# Altium PCB fastic-readout.PcbDoc (part 1 of 6) (continued)
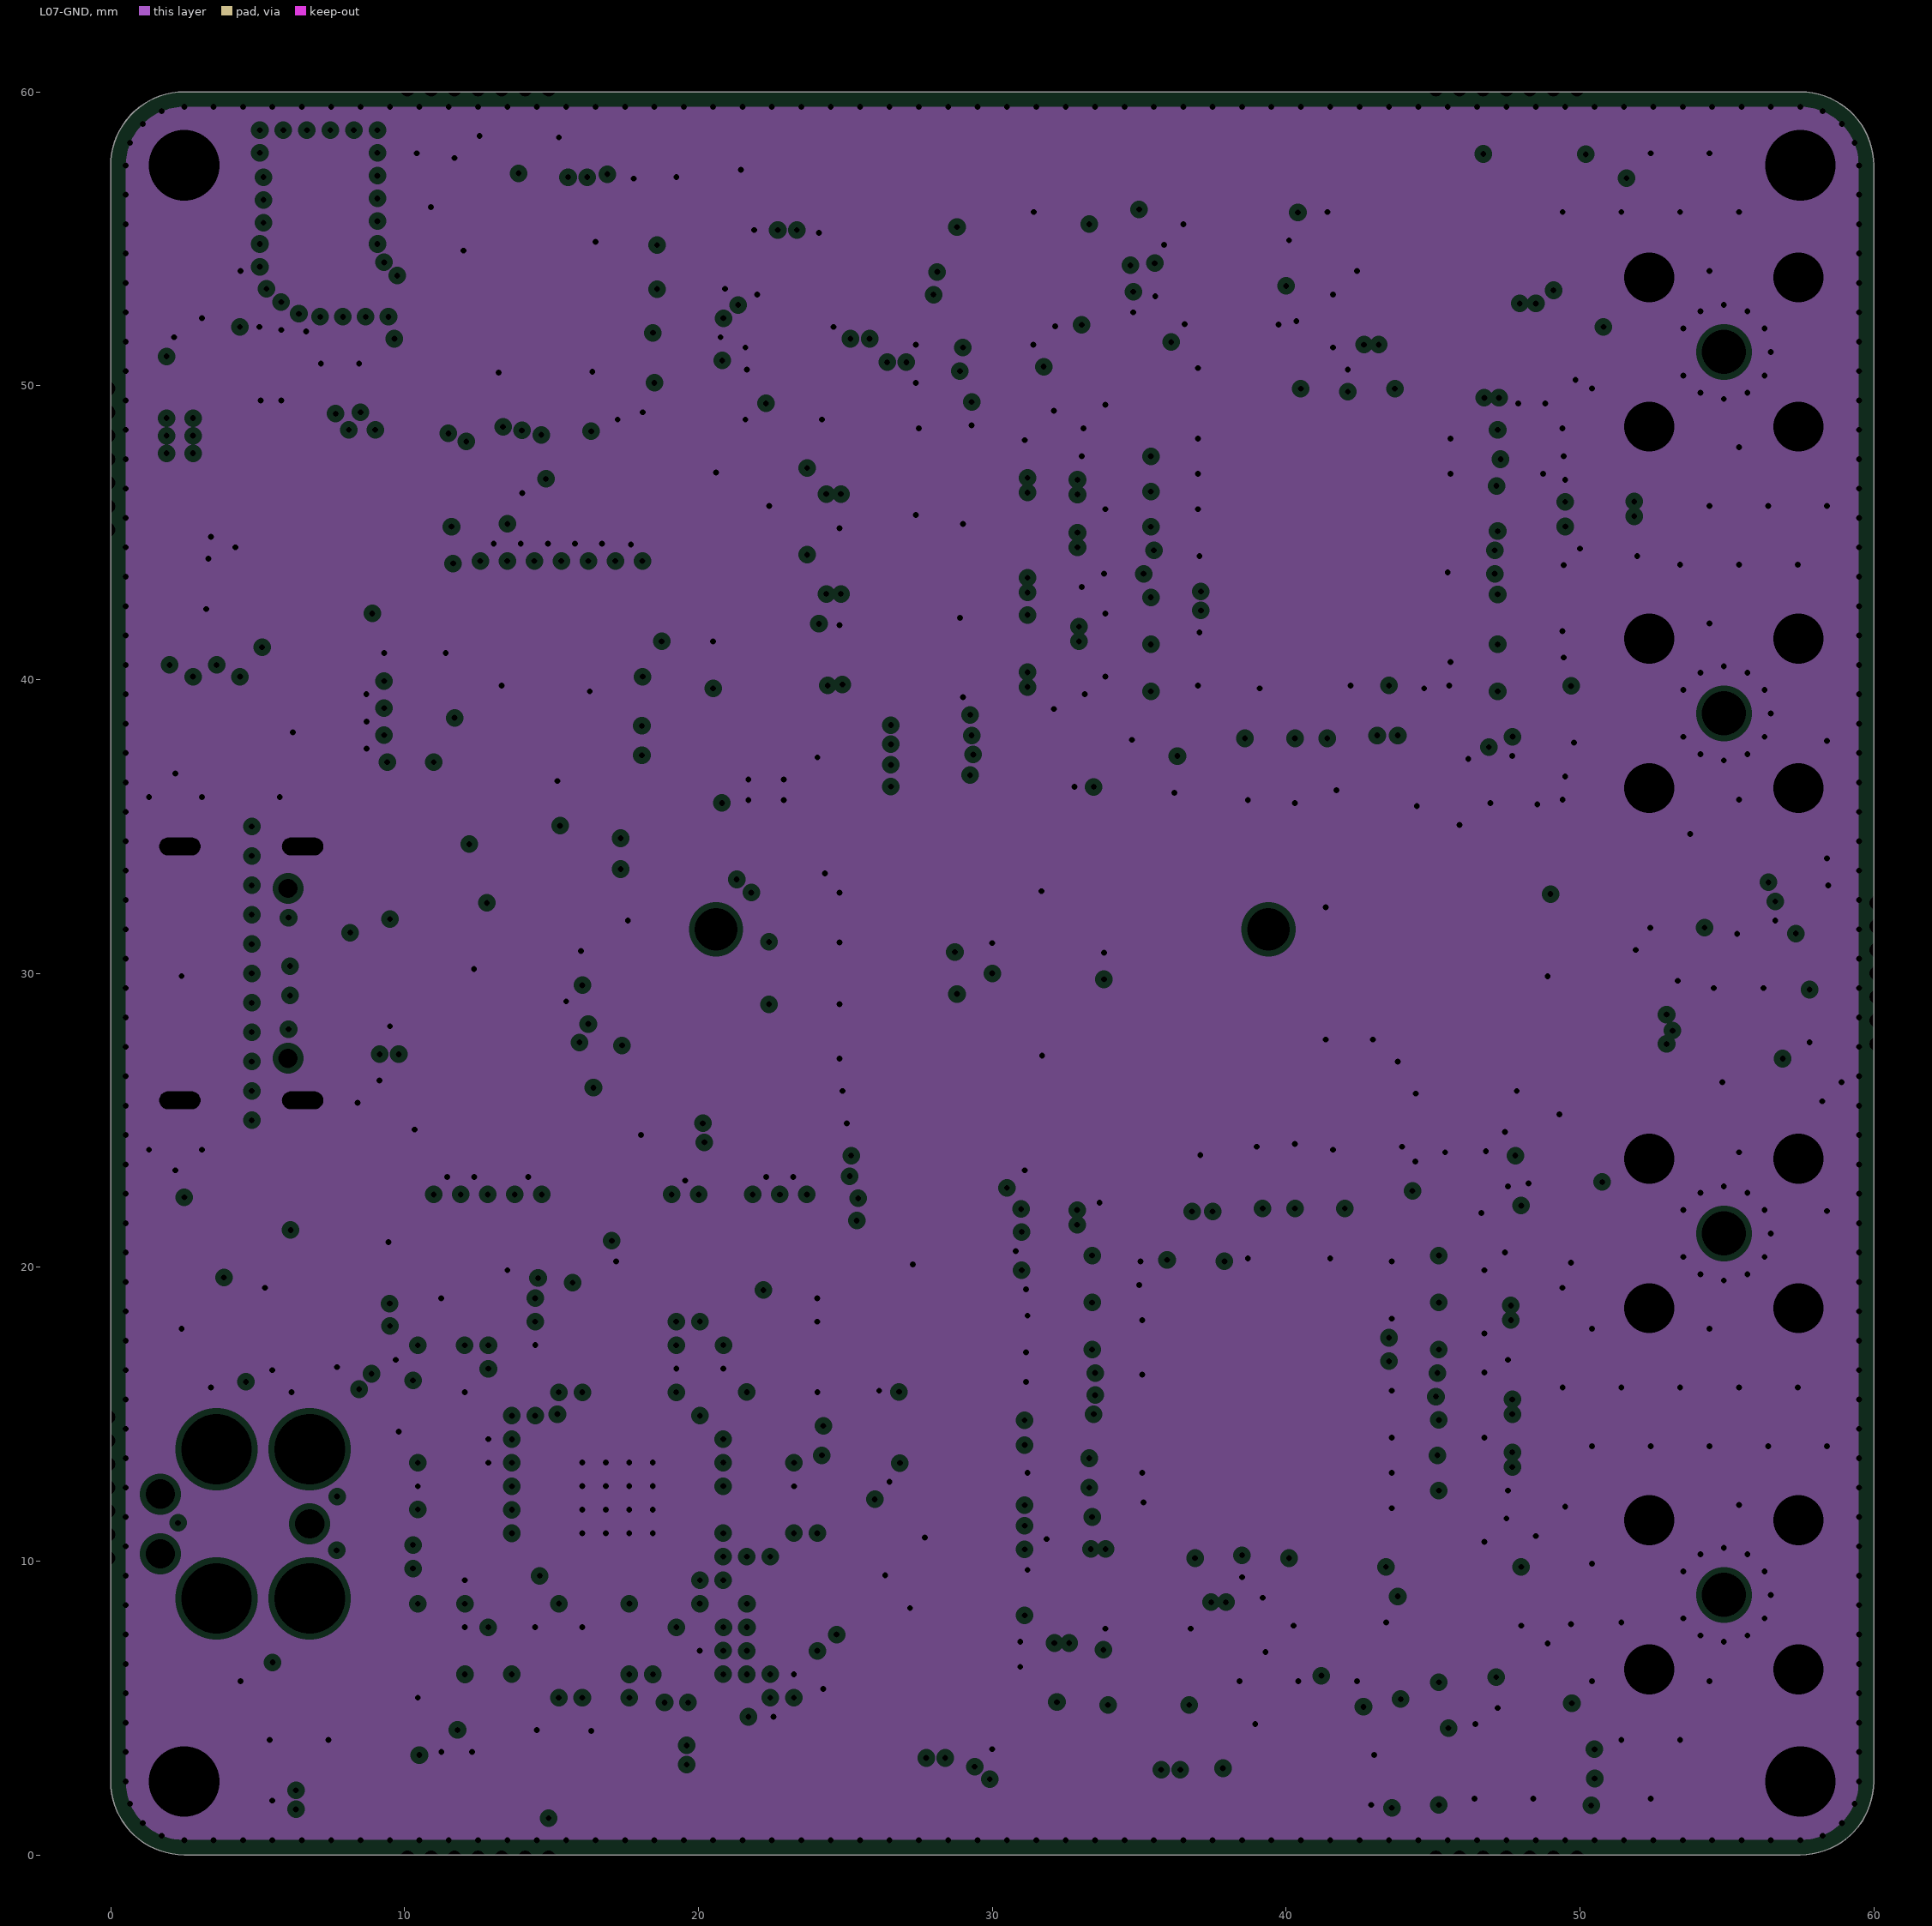
[diagram p7: L07-GND, clearances drawn from the general rule]
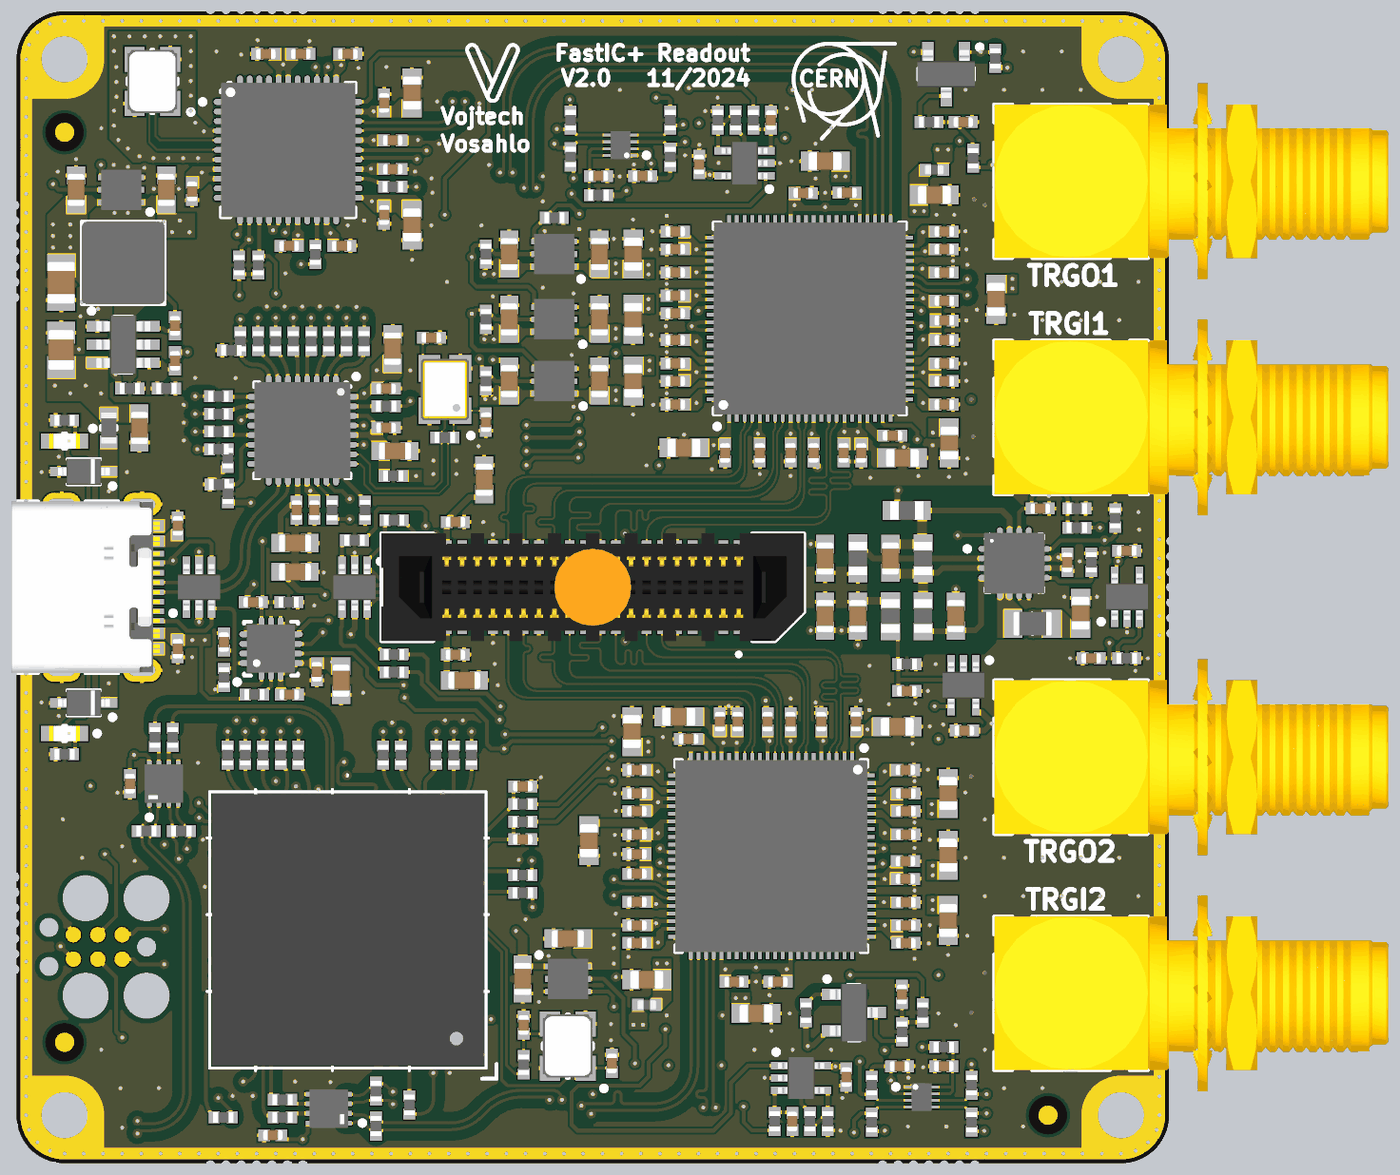
[diagram p13: 3D render of the assembled board from above, using the file's embedded part models]
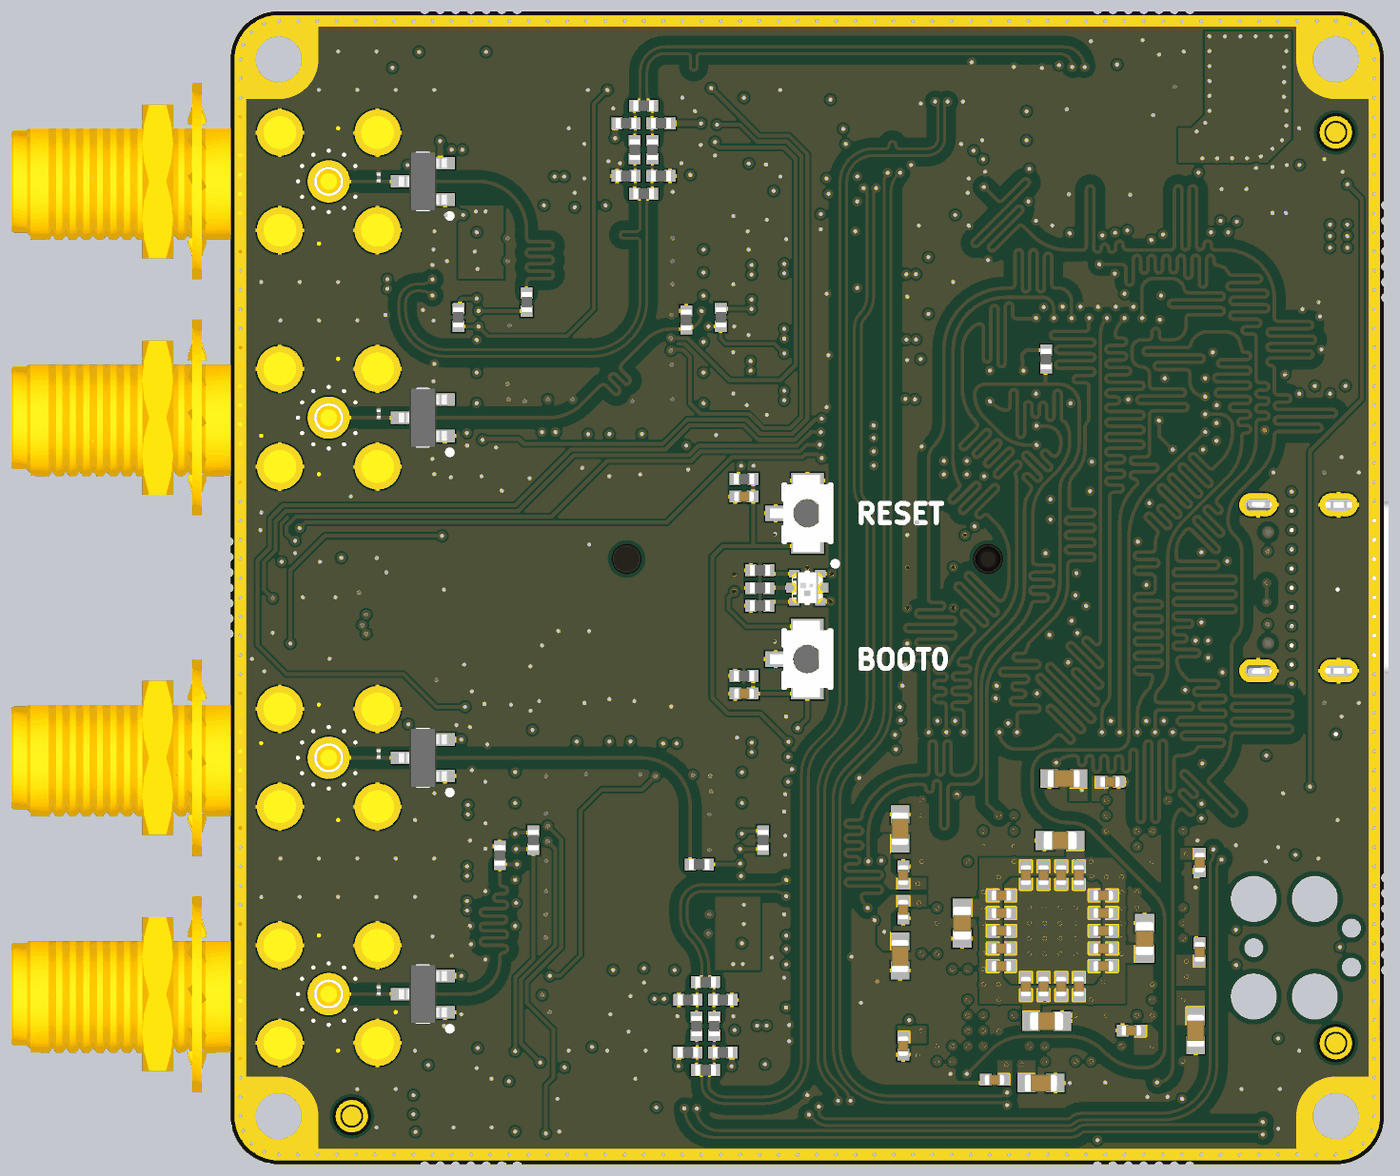
[diagram p14: 3D render of the assembled board from below, using the file's embedded part models]

## Layer stack, top to bottom
Top Solder: solder mask 0.0254, SM-001, Dk 4
Top Layer: signal copper 0.018
Dielectric 1 - PR2116: prepreg 0.12, PR2116, Dk 4.4
L02-GND: plane copper 0.035, net GND
Dielectric 2 - Core FR4: core 0.2, FR4 Improved, Dk 4.11
L03-PWR: plane copper 0.035, net (Multiple Nets)
Dielectric 3 - PR2116: prepreg 0.12, PP-016, Dk 4.4
Dielectric 4 - PR2116: prepreg 0.12, PP-016, Dk 4.4
L04- Signal: signal copper 0.035
Dielectric 4 - Core FR4: core 0.2, FR4 Improved, Dk 4.11
L05 - Signal: signal copper 0.035
Dielectric 5 - PR2116: prepreg 0.12, PP-016, Dk 4.4
Dielectric 6 - PR2116: prepreg 0.12, PP-016, Dk 4.4
L06-PWR: plane copper 0.035, net (Multiple Nets)
Dielectric 7 - Core FR4: core 0.2, FR4 Improved, Dk 4.11
L07-GND: plane copper 0.035, net GND
Dielectric 8 - PR2116: prepreg 0.12, PR2116, Dk 4.4
Bottom Layer: signal copper 0.018
Bottom Solder: solder mask 0.0254, SM-001, Dk 4

## Board outline
2.5,0 cw(c2.5,2.5) 0,2.5 0,57.5 cw(c2.5,57.5) 2.5,60 57.5,60 cw(c57.5,57.5) 60,57.5 60,2.5 cw(c57.5,2.5) 57.5,0

## Design rules (kind name [scope] priority, off if disabled: settings)
AssemblyTestPointUsage [All] p1 off:
AssemblyTestpoint [All] p1 off: testpointundercomponent=TRUE minsize=1.016 maxsize=2.54 preferedsize=1.524 minholesize=0 maxholesize=1.016 preferedholesize=0.813 testpointgrid=0.025 usegrid=TRUE gridtolerance=0 allowsidetop=TRUE allowsidebottom=TRUE
BoardOutlineClearance BoardOutlineClearance_Mousebites [IsPad and not InAnyNet and not InRegionRelative(0,0,2362.20472,2362.20472)] p1: gap=0 ignorepadtopadclearanceinfootprint=FALSE
BoardOutlineClearance BoardOutlineClearance_Overlay [OnLayer('Top Overlay')] p2: gap=0 ignorepadtopadclearanceinfootprint=FALSE
BoardOutlineClearance [All] p3: gap=0.2 ignorepadtopadclearanceinfootprint=FALSE
Clearance Clearance_Mousebites [IsPad and not InAnyNet and not InRegionRelative(0,0,2362.20472,2362.20472) vs InNet('GND')] p1: gap=0 ignorepadtopadclearanceinfootprint=TRUE
Clearance Clearance_Inner [not (OnLayer('Top Layer') or OnLayer('Bottom Layer')) vs not (OnLayer('Top Layer') or OnLayer('Bottom Layer'))] p2: gap=0.15 ignorepadtopadclearanceinfootprint=TRUE
Clearance Clearance_BGA [InComponent('U1') vs Name Like 'MAIN_GND'] p3: gap=0.1 ignorepadtopadclearanceinfootprint=TRUE except(0.25: Arc-Hole Track-Hole SMDPad-Hole THPad-Hole Via-Hole Fill-Hole Poly-Hole Region-Hole; 0.3: Text-Hole; 1: SMDPad-Fill SMDPad-Poly SMDPad-Region)
Clearance Clearance_ULPI [InNetClass('ULPI_D[0..7]') or InNetClass('ULPI') vs InNetClass('ULPI_D[0..7]') or InNetClass('ULPI')] p4: gap=0.1 ignorepadtopadclearanceinfootprint=TRUE except(0.25: Arc-Hole Track-Hole SMDPad-Hole THPad-Hole Via-Hole Fill-Hole Poly-Hole Region-Hole)
Clearance Clearance_50Ohm [InNetClass('50Ohm') vs InNet('GND')] p5: gap=0.1 ignorepadtopadclearanceinfootprint=TRUE except(0.25: Arc-Hole Track-Hole SMDPad-Hole THPad-Hole Via-Hole Fill-Hole Poly-Hole Region-Hole; 0.5: Arc-Poly Track-Poly)
Clearance Clearance_HV [InNetClass('HV') vs InNet('GND') and not InComponent('IC11') and not InNet('NetJ3_06')and not InNet('NetJ3_05')] p6: gap=0.7 ignorepadtopadclearanceinfootprint=TRUE
Clearance Clearance_Diff [InDifferentialPairClass('*') vs InNet('GND')] p7: gap=0.1 ignorepadtopadclearanceinfootprint=TRUE except(0.25: Arc-Hole Track-Hole SMDPad-Hole THPad-Hole Via-Hole Fill-Hole Poly-Hole Region-Hole; 0.5: Arc-Fill Arc-Poly Arc-Region Track-Fill Track-Poly Track-Region)
Clearance [OnLayer('Top Layer') or OnLayer('Bottom Layer')] p8: gap=0.1 ignorepadtopadclearanceinfootprint=TRUE except(0.25: Arc-Hole Track-Hole SMDPad-Hole THPad-Hole Via-Hole Fill-Hole Poly-Hole Region-Hole)
ComponentClearance [All] p1 off: gap=0.15 collisioncheckmode=3 verticalgap=0.15 showdistances=FALSE
DiffPairsRouting DiffPairsRouting_USB [InNet('USB_D_N') or InNet('USB_D_P')] p1: maxlimit=0.2 minlimit=0.2 mostfreqgap=0.2 toplayer_minwidth=0.183 toplayer_maxwidth=0.183 toplayer_prefwidth=0.183 midlayer1_minwidth=0.183 midlayer1_maxwidth=0.183 midlayer1_prefwidth=0.183 midlayer2_minwidth=0.183 midlayer2_maxwidth=0.183 midlayer2_prefwidth=0.183 bottomlayer_minwidth=0.183 bottomlayer_maxwidth=0.183 bottomlayer_prefwidth=0.183 maxuncoupledlength=12.7
DiffPairsRouting [All] p2: maxlimit=0.4 minlimit=0.1 mostfreqgap=0.2 toplayer_mingap=0.2 toplayer_minwidth=0.15 toplayer_maxwidth=0.15 toplayer_prefwidth=0.15 bottomlayer_mingap=0.2 bottomlayer_minwidth=0.15 bottomlayer_maxwidth=0.15 bottomlayer_prefwidth=0.15 impedanceprofiledriven=TRUE impedanceprofileid={FB560723-166B-4BAB-8495-9AA3CF4F6614} impedanceprofilevalue=100.000000 maxuncoupledlength=12.7
FabricationTestPointUsage [All] p1 off: valid=0 allowmultiple=FALSE
FabricationTestpoint [All] p1 off: side=3 testpointundercomponent=TRUE minsize=1.016 maxsize=2.54 preferedsize=1.524 minholesize=0 maxholesize=1.016 preferedholesize=0.813 testpointgrid=0.025 allowsidetop=TRUE allowsidebottom=TRUE usegrid=TRUE gridtolerance=0
HoleSize [All] p1: absolutevalues=TRUE maxlimit=5 minlimit=0.1 maxpercent=80.000 minpercent=20.000
HoleToHoleClearance HoleToHoleClearance_Mousebites [IsPad and not InAnyNet and not InRegionRelative(0,0,2362.20472,2362.20472)] p1: gap=0 allowstackedmicrovias=TRUE
HoleToHoleClearance [All] p2: gap=0.25 allowstackedmicrovias=TRUE
MinimumAnnularRing [All] p1: minimumring=0.125
MinimumSolderMaskSliver [All] p1: minsoldermaskwidth=0
PlaneClearance [All] p1: clearance=0.2
PlaneConnect PlaneConnect_Holes [InComponent('H1') or InComponent('H2') or InComponent('H3') or InComponent('H4')] p1: planeconnectstyle=Direct reliefexpansion=0.508 reliefentries=4 reliefconductorwidth=0.254 reliefairgap=0.254
PlaneConnect [All] p2: pad.planeconnectstyle=Relief pad.reliefexpansion=0.508 pad.reliefentries=4 pad.reliefconductorwidth=0.2 pad.reliefairgap=0.1 via.planeconnectstyle=Direct via.reliefexpansion=0.508 via.reliefentries=4 via.reliefconductorwidth=0.254 via.reliefairgap=0.254
PolygonConnect PolygonConnect_USB [InComponent('J7') and not IsThruPin vs InNet('GND')] p1: connectstyle=Direct reliefconductorwidth=0.254 reliefentries=4 polygonreliefangle="90 Angle" airgapwidth=0.254
PolygonConnect PolygonConnect_LDOs [HasFootprint('TPS746') and IsPad and (PadViaLibraryTemplate = 'r90_160') vs InNet('GND')] p2: connectstyle=Direct reliefconductorwidth=0.254 reliefentries=4 polygonreliefangle="90 Angle" airgapwidth=0.254
PolygonConnect PolygonConnect_HV2 [InNet('GND') vs InComponent('C87')] p3: connectstyle=Direct reliefconductorwidth=0.254 reliefentries=4 polygonreliefangle="90 Angle" airgapwidth=0.254
PolygonConnect PolygonConnect_HV [InNet('NetIC11_5,6') vs HasFootprint('INDC2013X145N') or HasFootprint('QFN50P300X300X80-17N-S145')] p4: connectstyle=Direct reliefconductorwidth=0.254 reliefentries=4 polygonreliefangle="90 Angle" airgapwidth=0.254
PolygonConnect PolygonConnect_BGA_GNDS [InComponent('C105') or InComponent('C106') or InComponent('C107') or InComponent('C108') or InComponent('C109') or InComponent('C110') or InComponent('C111') or InComponent('C112') or InComponent('C113') or InComponent('C114') or InComponent('C115') or InComponent('C116') or InComponent('C12') or InComponent('C13') or InComponent('C14') or InComponent('C15') or InComponent('C16') or InComponent('C17') vs InNet('GND')] p5: connectstyle=Direct reliefconductorwidth=0.254 reliefentries=4 polygonreliefangle="90 Angle" airgapwidth=0.254
PolygonConnect PolygonConnect_Holes [InComponent('H1') or InComponent('H2') or InComponent('H3') or InComponent('H4')] p6: connectstyle=Direct reliefconductorwidth=0.254 reliefentries=4 polygonreliefangle="90 Angle" airgapwidth=0.254
PolygonConnect VBUS [InNet('VBUS') vs HasFootprint('SOD2512X110N') or HasFootprint('FUSC_BOURNS_SF-0603F') or HasFootprint('CAPC1005X55N') or HasFootprint('GCT_USB4105-GF-A')] p7: connectstyle=Direct reliefconductorwidth=0.254 reliefentries=4 polygonreliefangle="90 Angle" airgapwidth=0.254
PolygonConnect Stepdown [InNet('+3V3') or InNet('+5V') or InNet('NetC89_2') or InNet('NetC96_1') vs InComponent('L2') or InComponent('C94') or InComponent('C95') or InComponent('C97') or InComponent('C98') or InComponent('IC21') or InComponent('C89') or InComponent('C96') or InComponent('R38') or InComponent('R37') or HasFootprint('AP62201WU-7')] p8: connectstyle=Direct reliefconductorwidth=0.254 reliefentries=4 polygonreliefangle="90 Angle" airgapwidth=0.254
PolygonConnect Clkgen_Crystal [InNet('NetIC26_4')] p9: connectstyle=Direct reliefconductorwidth=0.254 reliefentries=4 polygonreliefangle="90 Angle" airgapwidth=0.254
PolygonConnect HeatPads [HasPad('IC18_1-89') or HasPad('IC18_2-89') or HasPad('IC32-65')] p10: connectstyle=Direct reliefconductorwidth=0.254 reliefentries=4 polygonreliefangle="90 Angle" airgapwidth=0.254
PolygonConnect Decoupling_1V2 [InNet('+1V2') or InNet('+1V2A') or InNet('+1V2D') or InNet('+1V2T') or InNet('NetC80_FASTIC2_1') or InNet('NetC80_FASTIC1_1') vs HasFootprint('CAPC1005X55N') or HasFootprint('QFN40P1000X1000X85-89N-S760') or HasFootprint('CAPC1608X87N') or HasFootprint('CAPC1608X87N') or HasFootprint('CAPC2012X145N') or HasFootprint('INDC1005X55N') or HasFootprint('SON65P200X200X80-7N-R110X170') or HasFootprint('CAPC1608X90N')or HasFootprint('TPS746')] p11: connectstyle=Direct reliefconductorwidth=0.254 reliefentries=4 polygonreliefangle="90 Angle" airgapwidth=0.254
PolygonConnect Decoupling_VCAP [InNet('NetC94_2') vs HasFootprint('CAPC1608X90N') or HasFootprint('QFP50P1600X1600X160-100N')] p12: connectstyle=Direct reliefconductorwidth=0.254 reliefentries=4 polygonreliefangle="90 Angle" airgapwidth=0.254
PolygonConnect Decoupling_VREF [InNet('NetC69_FASTIC1_1') or InNet('NetC69_FASTIC2_1')  or InNet('NetC99_1')] p13: connectstyle=Direct reliefconductorwidth=0.254 reliefentries=4 polygonreliefangle="90 Angle" airgapwidth=0.254
PolygonConnect Decoupling_3V3 [InNet('+3V3') or InNet('+3V3A') or InNet('NetC126_2') vs HasFootprint('CAPC1005X55N') or HasFootprint('QFN65P500X500X100-21N-S325') or HasFootprint('CAPC1608X87N') or HasFootprint('CAPC2012X145N') or HasFootprint('QFP50P1600X1600X160-100N') or HasFootprint('SOT65P210X110-5N') or HasFootprint('SOP50P640X120-38N') OR HasFootprint('QFN50P900X900X100-65N-S485') or HasFootprint('SOT65P210X110-6N') or HasFootprint('CAPC1608X90N') or HasFootprint('SON65P200X200X80-7N-R110X170') or HasFootprint('CAPC1608X90N') or HasFootprint('QFN50P700X700X90-45N-S530') or HasFootprint('QFN50P500X500X100-33N-S340') OR HasFootprint('QFN50P250X250X80-15N-S145') or HasFootprint('CAPC1608X90N') or HasFootprint('CAPC1005X55N') or HasFootprint('TPS746')] p14: connectstyle=Direct reliefconductorwidth=0.254 reliefentries=4 polygonreliefangle="90 Angle" airgapwidth=0.254
PolygonConnect Decoupling_5V [InNet('+5V') vs HasFootprint('CAPC1005X55N') or HasFootprint('QFN65P500X500X100-21N-S325') or HasFootprint('CAPC1608X87N') or HasFootprint('CAPC2012X145N') or HasFootprint('C14156') or HasFootprint('FUSC_BOURNS_SF-0603F') or HasFootprint('CAPC1608X90N') or HasFootprint('QFP50P1600X1600X160-100N') or HasFootprint('SON65P200X200X80-7N-R110X170') or HasFootprint('CAPC1608X90N') or HasFootprint('INDC2013X145N')or HasFootprint('QFN50P500X500X100-33N-S340')or HasFootprint('TPS746')] p15: connectstyle=Direct reliefconductorwidth=0.254 reliefentries=4 polygonreliefangle="90 Angle" airgapwidth=0.254
PolygonConnect Decoupling_1V8 [InNet('+1V8') or InNet('NetC128_2') vs HasFootprint('CAPC1005X55N') or HasFootprint('QFN65P500X500X100-21N-S325') or HasFootprint('CAPC1608X87N') or HasFootprint('CAPC2012X145N') or HasFootprint('CAPC1608X90N') or HasFootprint('RESC1005X40N') or HasFootprint('SON65P200X200X80-7N-R110X170') or HasFootprint('CAPC1608X90N') or HasFootprint('QFN50P700X700X90-45N-S530') or HasFootprint('QFN50P500X500X100-33N-S340')or HasFootprint('TPS746')] p16: connectstyle=Direct reliefconductorwidth=0.254 reliefentries=4 polygonreliefangle="90 Angle" airgapwidth=0.254
PolygonConnect [All] p17: thpad.connectstyle=Relief thpad.reliefconductorwidth=0.2 thpad.reliefentries=4 thpad.polygonreliefangle="90 Angle" thpad.airgapwidth=0.1 smdpad.connectstyle=Relief smdpad.reliefconductorwidth=0.2 smdpad.reliefentries=4 smdpad.polygonreliefangle="90 Angle" smdpad.airgapwidth=0.1 via.connectstyle=Direct via.reliefconductorwidth=0.254 via.reliefentries=4 via.polygonreliefangle="90 Angle" via.airgapwidth=0.254
RoutingVias RoutingVias_OuterLayers [Not OnMid] p1: holewidth=0.2 width=0.4 viastyle="Through Hole" minholewidth=0.1 minwidth=0.4 maxholewidth=0.4 maxwidth=0.65
RoutingVias RoutingVias_InnerLayers [OnMid] p2: holewidth=0.2 width=0.4 viastyle="Through Hole" minholewidth=0.1 minwidth=0.4 maxholewidth=0.4 maxwidth=0.65
SilkToSilkClearance [All] p1 off: silktosilkclearance=0.05
SilkToSolderMaskClearance SilkscreenOverComponentPads [IsPad] p1: minsilkscreentomaskgap=0.05 clearancetoexposedcopper=TRUE
SolderMaskExpansion [All] p1: expansion=0.06 istentingtop=FALSE useseparateexpansions=TRUE expansionbottom=0.06 istentingbottom=FALSE
SupplyNets "Schematic Supply Nets_10" [InNet('HV')] p1: voltage=0.000
SupplyNets "Schematic Supply Nets_9" [InNet('+1V2T')] p2: voltage=0.000
SupplyNets "Schematic Supply Nets_8" [InNet('+1V2D')] p3: voltage=0.000
SupplyNets "Schematic Supply Nets_7" [InNet('+5V')] p4: voltage=0.000
SupplyNets "Schematic Supply Nets_6" [InNet('+1V8')] p5: voltage=0.000
SupplyNets "Schematic Supply Nets_5" [InNet('+1V2A')] p6: voltage=0.000
SupplyNets "Schematic Supply Nets_4" [InNet('+3V3')] p7: voltage=0.000
SupplyNets "Schematic Supply Nets_3" [InNet('VBUS')] p8: voltage=0.000
SupplyNets "Schematic Supply Nets_1" [InNet('GND')] p9: voltage=0.000
SupplyNets "Schematic Supply Nets" [InNet('+3V3A')] p10: voltage=0.000
UnRoutedNet [All] p1: checkbadconnections=TRUE
Width Width_50Ohm [InNetClass('50Ohm')] p1: maxlimit=0.182 minlimit=0.182 preferedwidth=0.182
Width [All] p2: maxlimit=2 minlimit=0.1 preferedwidth=0.2
16 further rules are at their usual default settings.

## Classes and differential pairs
net class ULPI: ULPI_CLK ULPI_D0 ULPI_D1 ULPI_D2 ULPI_D3 ULPI_D4 ULPI_D5 ULPI_D6 ULPI_D7 ULPI_DIR ULPI_NXT ULPI_RSTn ULPI_STP
net class HV: HV NetC86_1 NetC86_2 NetC87_2 NetIC11_2
net class 50Ohm: CALIB_FASTIC1 CALIB_FASTIC2 NetD1_3 NetD3_3 NetD6_3 NetD8_3 NetR7_2 NetR8_2 NetR10_2 NetR17_2 NetR24_2 NetR25_2 ULPI_CLK ULPI_D0 ULPI_D1 ULPI_D2 ULPI_D3 ULPI_D4 ULPI_D5 ULPI_D6 ULPI_D7 ULPI_DIR ULPI_NXT ULPI_RSTn ULPI_STP
channel class fastic: FASTIC1 FASTIC2
net class ULPI_D[0..7]: ULPI_D0 ULPI_D1 ULPI_D2 ULPI_D3 ULPI_D4 ULPI_D5 ULPI_D6 ULPI_D7
component class FASTIC2: C7_FASTIC2 C8_FASTIC2 C9_FASTIC2 C10_FASTIC2 C11_FASTIC2 C22_FASTIC2 C23_FASTIC2 C47_FASTIC2 C51_FASTIC2 C52_FASTIC2 C53_FASTIC2 C54_FASTIC2 C55_FASTIC2 C56_FASTIC2 C57_FASTIC2 C58_FASTIC2 C59_FASTIC2 C60_FASTIC2 C61_FASTIC2 C62_FASTIC2 C63_FASTIC2 C64_FASTIC2 C65_FASTIC2 C66_FASTIC2 C67_FASTIC2 C68_FASTIC2 C69_FASTIC2 C70_FASTIC2 C71_FASTIC2 C72_FASTIC2 C73_FASTIC2 C74_FASTIC2 C77_FASTIC2 C78_FASTIC2 C79_FASTIC2 C80_FASTIC2 C81_FASTIC2 C82_FASTIC2 C83_FASTIC2 C84_FASTIC2 C85_FASTIC2 C147_FASTIC2 C148_FASTIC2 IC1_FASTIC2 IC2_FASTIC2 IC3_FASTIC2 IC18_FASTIC2 L1_FASTIC2 R27_FASTIC2 R28_FASTIC2 R29_FASTIC2 R30_FASTIC2 R31_FASTIC2 R32_FASTIC2 R33_FASTIC2 R34_FASTIC2 R35_FASTIC2 R36_FASTIC2 R39_FASTIC2 R40_FASTIC2 R41_FASTIC2 R42_FASTIC2 R43_FASTIC2 R44_FASTIC2 T1_FASTIC2
component class FASTIC1: C7_FASTIC1 C8_FASTIC1 C9_FASTIC1 C10_FASTIC1 C11_FASTIC1 C22_FASTIC1 C23_FASTIC1 C47_FASTIC1 C51_FASTIC1 C52_FASTIC1 C53_FASTIC1 C54_FASTIC1 C55_FASTIC1 C56_FASTIC1 C57_FASTIC1 C58_FASTIC1 C59_FASTIC1 C60_FASTIC1 C61_FASTIC1 C62_FASTIC1 C63_FASTIC1 C64_FASTIC1 C65_FASTIC1 C66_FASTIC1 C67_FASTIC1 C68_FASTIC1 C69_FASTIC1 C70_FASTIC1 C71_FASTIC1 C72_FASTIC1 C73_FASTIC1 C74_FASTIC1 C77_FASTIC1 C78_FASTIC1 C79_FASTIC1 C80_FASTIC1 C81_FASTIC1 C82_FASTIC1 C83_FASTIC1 C84_FASTIC1 C85_FASTIC1 C147_FASTIC1 C148_FASTIC1 IC1_FASTIC1 IC2_FASTIC1 IC3_FASTIC1 IC18_FASTIC1 L1_FASTIC1 R27_FASTIC1 R28_FASTIC1 R29_FASTIC1 R30_FASTIC1 R31_FASTIC1 R32_FASTIC1 R33_FASTIC1 R34_FASTIC1 R35_FASTIC1 R36_FASTIC1 R39_FASTIC1 R40_FASTIC1 R41_FASTIC1 R42_FASTIC1 R43_FASTIC1 R44_FASTIC1 T1_FASTIC1
component class USB: C117 C118 C119 C120 C121 C122 C124 C126 C127 C128 C129 C130 C131 C132 C133 C134 C135 C142 D10 D11 D12 F1 IC13 IC14 J7 Q3 R85 R86 R87 R88 R89 R90 R91 R92 R93 R94 R95 R96 R97 R98 R99 R100 R102 R103 R104 R105 R106 R107 R108 R111 R112
component class mcu: C12 C13 C14 C15 C16 C17 C18 C19 C20 C21 C90 C92 C93 C94 C96 C99 C100 C101 C102 C103 C104 C105 C106 C107 C108 C109 C110 C111 C112 C113 C114 C115 C116 C136 C137 C138 C139 C140 C141 J6 PB1 PB2 Q2 R68 R69 R70 R71 R72 R73 R74 R75 R76 R77 R78 R79 R80 R81 R82 R83 R84 U1
component class power: C24 C25 C26 C27 C28 C29 C30 C31 C32 C33 C34 C89 C95 C97 IC4 IC5 IC6 IC7 IC8 IC21 L2 R37 R38 R47 R48 R49 R50
component class clock: C35 C36 C37 C38 C39 C40 C41 C42 C43 C44 C45 C46 IC9 Q1 R51 R52
component class hv: C48 C49 C50 C75 C76 C86 C87 C88 C145 C146 IC10 IC11 IC30 L3 R53 R54 R55 R56 R57 R58 R59 R60 R61 R62 R63
component class top: C1 C2 C3 C4 C5 C6 D1 D2 D3 D4 D5 D6 D7 D8 D9 FTG1 FTG2 FTG3 FTG4 FTG5 FTG6 H1 H2 H3 H4 J1 J2 J3 J4 J5 LD13 LD14 LD15 R1 R2 R3 R4 R5 R6 R7 R8 R9 R10 R11 R12 R13 R14 R15 R16 R17 R18 R19 R20 R21 R22 R23 R24 R25 R26 R101 R123 R124 R125 R126 R127 R128 R129 R130
differential pair TDC_FASTIC2: +TDC_FASTIC2_P -TDC_FASTIC2_N